# Altium PCB Version_2.PcbDoc (part 4 of 6)
Units mil, origin at the board's own origin, x right, y up, seen from the top; angles counter-clockwise.
Board outline 6692.91 x 6692.91 mil, 4 copper layers (Component Side, Ground Plane, Power, Solder Side), stack 33.234 mil thick; 798 components, 528 nets, 2533 pads, 836 vias.
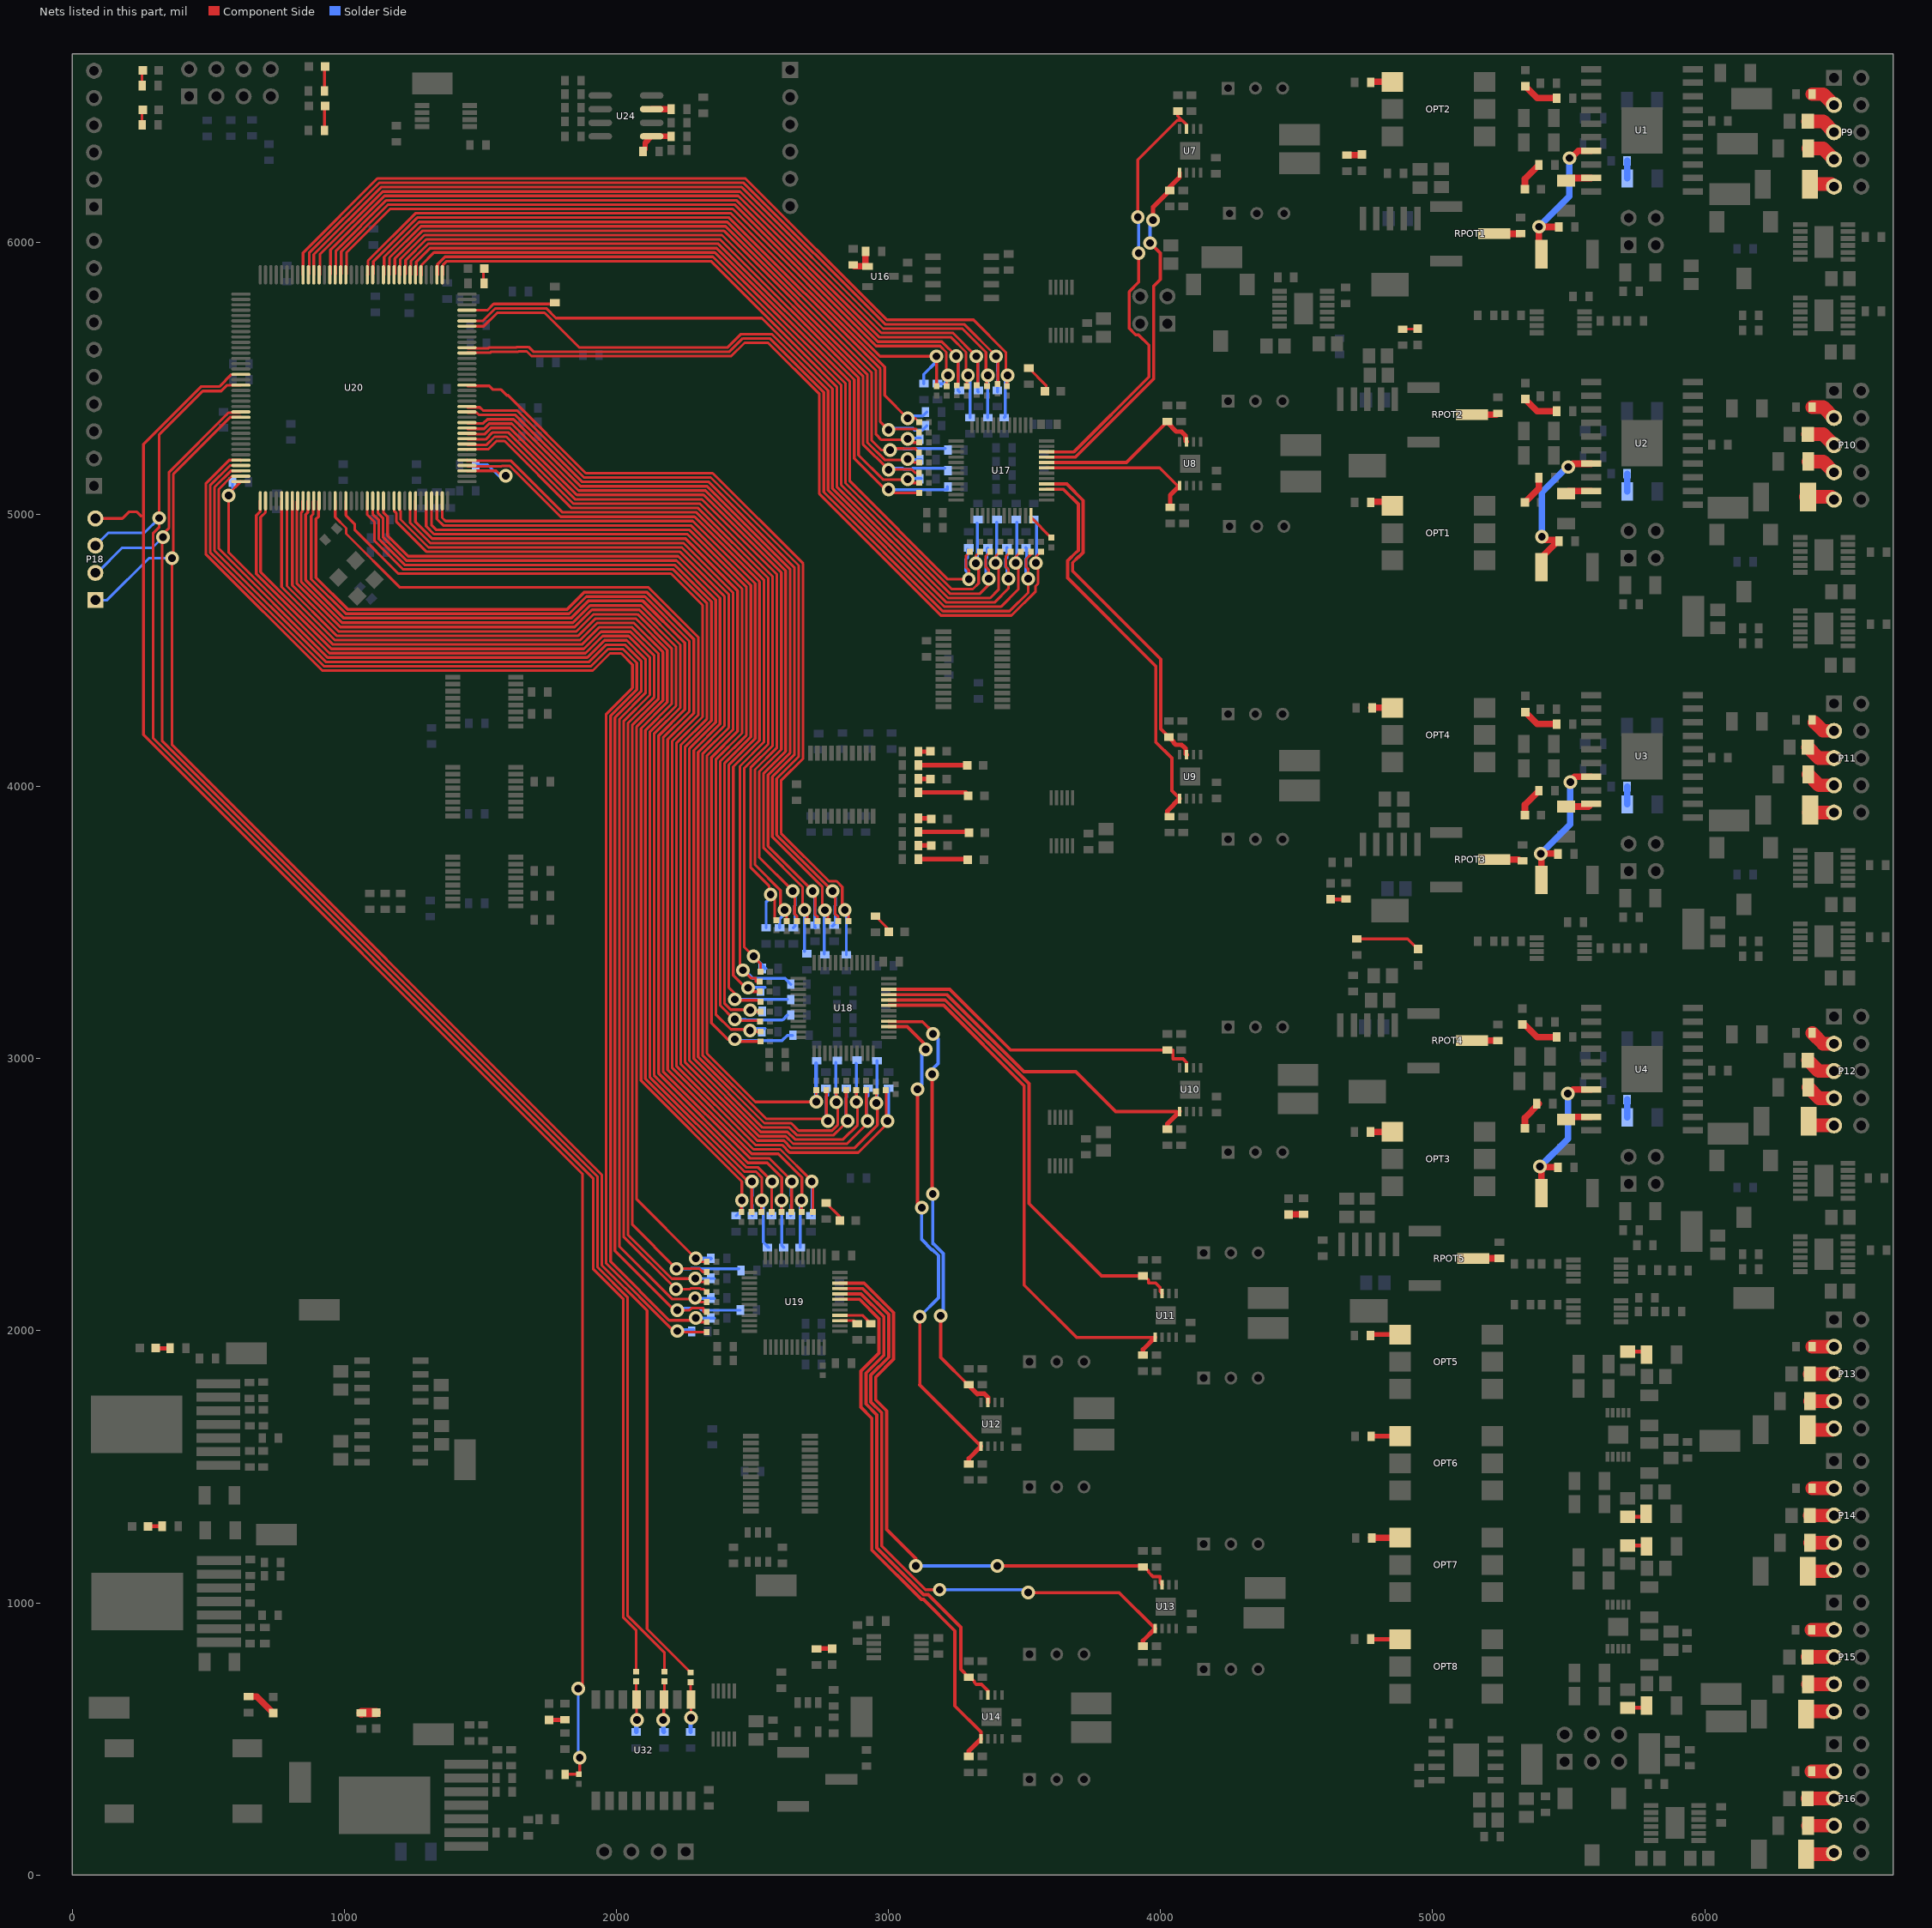
[diagram p6: the nets of this part, all layers, seen from the top]

## Via types
v1: diameter 50, hole 28, Component Side to Solder Side, 831 vias
v2: diameter 50/50/50 (per signal layer), hole 28, Component Side to Solder Side, 4 vias
v3: diameter 37.4, hole 19.68, Component Side to Solder Side, 1 vias

## Nets (pads, with @x,y where several pads share a name; then routed paths per layer and width w, separated by ;. In a path a pad name is that pad's centre, name@x,y a point inside that pad or via, vN(x,y) a via of type N, cw(c..) or ccw(c..) an arc to the next point about the centre after c; other vN are vias at no path point) (continued)
IN10: R186.1 R419.1 U20.100 | length 3323.6
  Component Side w10: U20.100@848.31,5880.35 848.31,5961.15 1121.45,6234.29 2474.13,6234.29 2993.85,5714.58 3312.53,5714.58 3431.24,5595.87 3431.24,5517.96 v1(3438.24,5510.96) ; R419.1@3435.6,5471.46 v1@3435.6,5508.33
  Solder Side w11: R186.1@3425.24,5355.49 3428.45,5358.71 3428.45,5376.89 3429.45,5377.89 3429.45,5474.03 3428.45,5475.03 v1@3428.45,5510.96
IN11: R191.1 R414.1 U20.99 | length 3194.8
  Component Side w10: U20.99@870.77,5883.13 870.77,5960.99 1128.07,6218.29 2467.5,6218.29 2987.22,5698.58 3278.16,5698.58 3395.24,5581.5 v1(3395.24,5580.96)
  Component Side w11: R414.1@3400.59,5479.33 3401.74,5480.48 v1@3401.74,5574.46
  Solder Side w11: R191.1@3400.24,5450.49 3400.74,5450.99 3400.74,5494.84 3401.74,5495.84 3401.74,5526.08 3400.74,5527.08 v1@3400.74,5575.46
IN12: R196.1 R408.1 U20.98 | length 3158.2
  Component Side w10: U20.98@887.68,5880.35 887.68,5955.27 1134.7,6202.29 2460.87,6202.29 2980.59,5682.58 3271.53,5682.58 3358.24,5595.87 3358.24,5517.96 v1(3365.24,5510.96)
  Component Side w11: R408.1@3361.64,5471.46 v1@3361.64,5507.37
  Solder Side w11: R196.1@3365.24,5355.49 v1@3365.24,5490.96
IN13: R201.1 R402.1 U20.97 | length 3059.7
  Component Side w10: U20.97@910.14,5880.35 910.14,5955.11 1141.33,6186.29 2454.25,6186.29 2973.96,5666.58 3237,5666.58 3322.24,5581.34 v1(3322.24,5580.96)
  Component Side w11: R402.1@3323.82,5474.41 3328.74,5479.33 v1@3328.74,5574.46
  Solder Side w11: v1@3329.74,5573.46 3328.74,5572.46 3328.74,5451.99 R201.1@3330.24,5450.49
IN14: R206.1 R396.1 U20.95 | length 3022.7
  Component Side w10: U20.95@949.51,5883.13 949.51,5971.85 1147.96,6170.29 2447.62,6170.29 2967.34,5650.58 3230.37,5650.58 3285.02,5595.94 3285.02,5518.18 v1(3292.24,5510.96) ; R396.1@3287.68,5471.46 v1@3287.68,5506.41
  Solder Side w11: R206.1@3300.24,5355.49 v1@3300.24,5510.96
IN15: R211.1 R390.1 U20.94 | length 2908.2
  Component Side w10: U20.94@969.2,5883.13 969.2,5968.91 1154.58,6154.29 2440.99,6154.29 2960.71,5634.58 3196.16,5634.58 3249.02,5581.72 v1(3249.02,5581.02)
  Component Side w11: R390.1@3250.98,5473.43 3255.74,5478.18 v1@3255.74,5574.3
  Solder Side w11: v1@3256.74,5573.3 3255.74,5572.3 3255.74,5454.99 R211.1@3260.24,5450.49
IN16: R216.1 R384.1 U20.93 | length 2772.6
  Component Side w10: U20.93@988.88,5883.13 988.88,5965.96 1161.21,6138.29 2434.36,6138.29 2954.08,5618.58 3189.53,5618.58 3212.24,5595.87 3212.24,5517.96 v1(3219.24,5510.96) ; R384.1@3213.72,5471.46 v1@3213.72,5505.45
  Solder Side w11: R216.1@3180.24,5480.49 3208.77,5480.49 v1@3208.77,5500.49
IN17: R221.1 R380.1 U20.92 | length 2744.1
  Component Side w10: U20.92@1008.57,5883.13 1008.57,5963.02 1167.84,6122.29 2427.74,6122.29 2969.07,5580.96 v1(3176.24,5580.96) ; R380.1@3176.74,5471.46 v1@3176.74,5578.23
  Solder Side w11: R221.1@3130.24,5480.49 3130.24,5514.96 v1@3176.24,5560.96
IN20: R226.1 R389.2 U20.88 | length 2606.5
  Component Side w10: U20.88@1084.53,5880.35 1087.31,5880.35 1087.31,5931.94 1261.66,6106.29 2421.11,6106.29 2986.06,5541.34 2986.06,5437.14 v1(3070.24,5352.96) 3098.81,5352.96 R389.2@3113.19,5338.58
  Solder Side w11: v1@3075.24,5352.96 3083.5,5361.22 3125.97,5361.22 R226.1@3140.71,5375.96
IN21: R231.1 R395.2 U20.87 | length 2726.4
  Component Side w10: U20.87@1106.99,5883.13 1106.99,5929 1268.29,6090.29 2414.48,6090.29 2970.06,5534.71 2970.06,5340.14 v1(3000.24,5309.96) 3003.82,5313.54 v1@2985.24,5313.54 ; v1@3005.24,5313.54 3101.11,5313.54 R395.2@3113.19,5301.46
  Solder Side w11: v1@3005.24,5309.96 3010.74,5315.46 3089.94,5315.46 3095.44,5309.96 3124.71,5309.96 R231.1@3140.71,5325.96
IN22: R236.1 R401.2 U20.85 | length 2584.1
  Component Side w10: U20.85@1146.36,5880.35 1146.36,5945.74 1274.92,6074.29 2407.86,6074.29 2954.06,5528.09 2954.06,5293.97 2974.07,5273.96 3068.25,5273.96 3071.02,5276.72 v1(3071.02,5276.83) ; v1@3070.24,5274.96 v1@3075.24,5279.96
  Component Side w11: v1@3090.86,5264.34 R401.2@3113.19,5264.34
  Solder Side w11: v1@3075.24,5279.96 R236.1@3116.71,5279.96
IN23: R241.1 R407.2 U20.84 | length 2766.5
  Component Side w10: U20.84@1166.05,5880.35 1166.05,5942.8 1281.54,6058.29 2401.23,6058.29 2938.06,5521.46 2938.06,5271.39 2972.98,5236.48 v1(3006.05,5236.48) 3011.54,5241.96 3054.33,5241.96 3054.65,5242.29 3056.1,5240.83 3085.93,5240.83 3087.06,5241.96 3098.45,5241.96 R407.2@3113.19,5227.22 ; v1@3000.68,5236.96 v1@3005.24,5236.96
  Solder Side w11: v1@3005.24,5236.96 3010.74,5242.46 3053.77,5242.46 3055.9,5240.33 3086.13,5240.33 3087.85,5242.04 3087.95,5242.04 3088.37,5242.46 R241.1@3209.21,5242.46
IN24: R246.1 R413.2 U20.83 | length 2569.4
  Component Side w10: U20.83@1185.73,5883.13 1185.73,5939.85 1288.17,6042.29 2394.6,6042.29 2922.06,5514.83 2922.06,5264.76 2986.35,5200.48 3063.75,5200.48 3068.25,5204.98 3070.03,5203.2 v1(3070.03,5203.01) ; v1@3072.74,5204.46 3075.24,5206.96 3092.1,5190.1 R413.2@3113.19,5190.1
  Solder Side w11: v1@3081.24,5200.96 R246.1@3120.71,5200.96
IN25: R251.1 R418.2 U20.82 | length 2707.8
  Component Side w10: U20.82@1205.42,5880.35 1205.42,5936.91 1294.8,6026.29 2387.97,6026.29 2906.06,5508.2 2906.06,5258.14 v1(3000.24,5163.96) ; v1@3001.46,5165.19 3084.94,5165.19 3097.15,5152.98 R418.2@3113.19,5152.98
  Solder Side w11: v1@3010.74,5169.46 3051.96,5169.46 3054.91,5166.51 3085.15,5166.51 3088.1,5169.46 R251.1@3207.21,5169.46
IN26: R257.1 R422.2 U20.81 | length 2533.9
  Component Side w10: U20.81@1225.1,5883.13 1225.1,5933.97 1301.43,6010.29 2381.35,6010.29 2890.06,5501.58 2890.06,5217.22 2979.32,5127.96 3064.24,5127.96 3067.43,5131.16 3069.4,5129.19 v1(3070.03,5129.19) ; v1@3083.34,5115.86 R422.2@3113.19,5115.86
  Solder Side w11: v1@3078.24,5130.96 R257.1@3120.71,5130.96
IN27: R262.1 R424.2 U20.80 | length 2691.1
  Component Side w10: U20.80@1244.79,5880.35 1244.79,5931.03 1308.05,5994.29 2374.72,5994.29 2874.06,5494.95 2874.06,5205.66 2988.76,5090.96 v1(3000.24,5090.96) ; v1@3014.75,5078.74 R424.2@3113.19,5078.74
  Solder Side w11: v1@3012.74,5098.46 3020.65,5090.55 3215.71,5090.55 R262.1@3215.71,5100.96
IN30: R266.1 R426.2 U20.79 | length 3048.4
  Component Side w10: U20.79@1261.69,5880.35 1264.47,5880.35 1264.47,5928.08 1314.68,5978.29 2368.09,5978.29 2858.06,5488.32 2858.06,5121.54 3218.17,4761.43 v1(3295.24,4761.43) 3295.24,4795 3285.03,4805.21 3285.03,4848.02 R426.2@3299.21,4862.2
  Solder Side w11: R266.1@3289.74,4871.41 3289.74,4840.45 3284.53,4835.24 3284.53,4792.32 3289.74,4787.11 3289.74,4766.93 v1(3295.24,4761.43)
IN31: R270.1 R428.2 U20.78 | length 3113.5
  Component Side w10: U20.78@1284.16,5877.57 1284.16,5916.88 1329.57,5962.29 2361.46,5962.29 2842.06,5481.69 2842.06,5114.91 3231.54,4725.43 3310.15,4725.43 3331.24,4746.52 3331.24,4817.78 v1@3326.93,4822.09 ; v1(3321.03,4820.12) 3321.04,4847.61 R428.2@3336.62,4863.19
  Solder Side w11: 3325.24,4966.91 3326.93,4965.21 v1@3326.93,4822.09
IN32: R274.1 R430.2 U20.75 | length 3097.1
  Component Side w10: U20.75@1340.43,5880.35 U20.75@1340.43,5914.22 ; U20.75@1343.21,5880.35 1343.21,5919.83 1369.68,5946.29 2354.84,5946.29 2826.06,5475.07 2826.06,5108.28 3225.91,4708.43 3336.11,4708.43 3368.27,4740.6 v1(3368.27,4763.03) 3368.27,4795.78 3357.87,4806.19 3357.87,4847.04 R430.2@3374.02,4863.19
  Solder Side w10: v1@3362.59,4768.72 3357.87,4773.44 3357.87,4836.01 3362.59,4840.73 3362.59,4874.25 R274.1@3365.24,4876.91
IN33: R277.1 R432.2 U20.74 | length 3149.3
  Component Side w10: U20.74@1360.12,5909.33 U20.74@1360.12,5912.69 ; U20.74@1362.9,5880.35 1362.9,5916.88 1376.31,5930.29 2348.21,5930.29 2810.06,5468.44 2810.06,5101.66 3219.28,4692.43 3373.51,4692.43 3404.27,4723.2 3404.27,4816.05 3399.22,4821.1 v1(3393.87,4821.1) 3393.87,4845.64 R432.2@3411.42,4863.19
  Component Side w11: U20.74@1360.12,5880.35 U20.74@1360.12,5909.33
  Solder Side w11: v1@3398.24,4831.43 R277.1@3398.24,4969.91
IN34: R163.1 R434.2 U20.67 | length 2952.7
  Component Side w10: U20.67@1450.67,5711.06 1509.59,5711.06 1555.51,5756.98 1742.12,5756.98 1777.81,5721.29 2534.58,5721.29 2794.06,5461.81 2794.06,5095.03 3212.66,4676.43 3390.24,4676.43 3441.11,4727.3 v1(3441.11,4763.03) 3441.11,4796.77 3431.69,4806.19 3431.69,4846.06 R434.2@3448.82,4863.19
  Solder Side w11: v1@3435.24,4767.43 3435.24,4801.93 3431.19,4805.98 3431.19,4836.22 3435.24,4840.27 R163.1@3435.24,4876.91
IN35: R167.1 R436.2 U20.66 | length 3057.3
  Component Side w10: U20.66@1450.67,5691.38 1512.53,5691.38 1562.13,5740.98 1735.49,5740.98 1862.94,5613.53 2409.09,5613.53 2458.05,5662.49 2570.76,5662.49 2778.06,5455.18 2778.06,5088.4 3206.03,4660.43 3412.88,4660.43 3477.24,4724.79 v1@3477.24,4816.09 ; v1(3467.69,4821.1) 3467.69,4844.66 R436.2@3486.22,4863.19
  Solder Side w11: v1@3471.24,4831.43 R167.1@3471.24,4970.91
IN36: R172.1 R438.2 U20.62 | length 3022.8
  Component Side w10: U20.62@1453.45,5609.86 1529.43,5609.86 1533.18,5613.61 1632.59,5613.61 1633.97,5614.99 1677.05,5614.99 1694.52,5597.53 2415.72,5597.53 2464.68,5646.49 2564.13,5646.49 2762.06,5448.56 2762.06,5081.77 3199.4,4644.43 3445.52,4644.43 3513.95,4712.86 v1(3513.95,4763.03) 3513.95,4797.75 3505.51,4806.19 3505.51,4836.01 3523.62,4854.12 R438.2@3523.62,4863.19
  Solder Side w11: R172.1@3506.74,4875.41 R172.1@3505.24,4876.91 3507.74,4874.41 3507.74,4838.95 3505.01,4836.22 3505.01,4771.97 v1@3507.74,4769.24
IN37: R177.1 R440.2 U20.61 | length 3103.9
  Component Side w10: U20.61@1450.67,5592.95 1451.57,5593.86 1536.06,5593.86 1539.8,5597.61 1639.21,5597.61 1640.6,5598.99 1670.42,5598.99 1687.89,5581.53 2422.35,5581.53 2471.31,5630.49 2557.5,5630.49 2746.06,5441.93 2746.06,5075.15 3192.77,4628.43 3452.15,4628.43 3540.77,4717.06 3540.77,4736.37 3549.95,4745.55 3549.95,4816.37 3545.22,4821.1 v1(3541.51,4821.1) 3541.51,4843.68 R440.2@3561.02,4863.19
  Solder Side w11: R177.1@3534.25,4980.76 3544.24,4970.78 v1@3544.24,4831.43
IN40: R182.1 R416.1 U20.55 | length 3090.4
  Component Side w10: U20.55@1453.45,5472.06 1532.52,5472.06 1546.34,5458.24 1576.16,5458.24 1597.17,5437.24 1601.78,5437.24 1887.72,5151.29 2353.55,5151.29 2686.02,4818.82 2686.02,4102.86 2605.11,4021.95 2605.11,3828.26 2781.4,3651.96 2809.15,3651.96 2830.24,3630.87 2830.24,3552.96 2836.77,3546.43 v1(2839.71,3546.43) ; R416.1@2853.34,3504.92 v1@2853.34,3529.86
  Solder Side w11: R182.1@2845.08,3381.83 v1@2845.08,3523.12
IN41: R187.1 R410.1 U20.51 | length 3001.9
  Component Side w10: U20.51@1453.45,5393.32 1498.4,5393.32 1510.45,5381.27 1635.12,5381.27 1881.1,5135.29 2346.92,5135.29 2670.02,4812.2 2670.02,4109.49 2589.11,4028.58 2589.11,3821.63 2794.24,3616.5 v1(2794.24,3615.96) ; v1@2803.71,3606.49 2803.71,3531.52 2815.52,3519.71 R410.1@2815.52,3504.92
  Solder Side w11: R187.1@2794.24,3486.49 2804.13,3496.39 2804.13,3530.39 2803.21,3531.31 2803.21,3561.55 2804.13,3562.48 2804.13,3591.07 v1@2794.24,3600.96
IN42: R192.1 R404.1 U20.50 | length 2992.1
  Component Side w10: U20.50@1453.45,5373.64 1487.2,5373.64 1495.68,5365.16 1519.03,5365.16 1519.14,5365.27 1628.49,5365.27 1874.47,5119.29 2340.29,5119.29 2654.02,4805.57 2654.02,4116.12 2573.11,4035.21 2573.11,3815 2757.24,3630.87 2757.24,3554.02 v1(2765.75,3545.51) ; v1@2759.24,3535.96 v1@2764.24,3530.96 ; R404.1@2777.7,3504.92 v1@2777.7,3533.56
  Solder Side w11: R192.1@2764.24,3383.93 v1@2764.24,3530.96
IN43: R197.1 R398.1 U20.48 | length 2922.9
  Component Side w10: U20.48@1453.45,5334.27 1510.77,5334.27 1525.77,5349.27 1621.87,5349.27 1867.84,5103.29 2333.67,5103.29 2638.02,4798.94 2638.02,4122.74 2557.11,4041.83 2557.11,3780.63 2721.24,3616.5 v1(2721.24,3615.96) ; v1@2718.95,3600.96 v1@2721.24,3600.96 ; v1@2730.75,3604.16 2730.75,3561.42 2729.75,3560.42 2729.75,3530.09 2739.87,3519.97 R398.1@2739.87,3504.92
  Solder Side w11: v1@2728.74,3593.46 2728.74,3481.99 R197.1@2730.24,3480.49
IN44: R202.1 R392.1 U20.47 | length 2909.1
  Component Side w10: U20.47@1453.45,5314.58 1513.71,5314.58 1532.4,5333.27 1615.24,5333.27 1861.21,5087.29 2327.04,5087.29 2622.02,4792.31 2622.02,4129.37 2541.11,4048.46 2541.11,3774 2684.24,3630.87 2684.24,3552.96 v1(2691.24,3545.96) ; R392.1@2702.05,3504.92 v1@2702.05,3535.15
  Solder Side w11: R202.1@2691.24,3394.49 v1@2691.24,3530.96
IN45: R207.1 R386.1 U20.46 | length 2873.7
  Component Side w10: U20.46@1453.45,5294.9 1516.66,5294.9 1539.03,5317.27 1608.61,5317.27 1854.59,5071.29 2320.41,5071.29 2606.02,4785.69 2606.02,4136 2525.11,4055.09 2525.11,3739.09 v1(2648.24,3615.96) ; v1@2645.95,3600.96 v1@2648.24,3600.96 ; v1@2656.24,3607.96 2656.24,3561.87 2655.24,3560.87 2655.24,3531.05 2664.23,3522.06 R386.1@2664.23,3504.92
  Solder Side w11: v1@2648.24,3600.96 2656.5,3592.7 2656.5,3562.84 2654.74,3561.08 2654.74,3530.84 2656.5,3529.09 2656.5,3486.75 R207.1@2650.24,3480.49
IN46: R212.1 R381.1 U20.45 | length 2766.3
  Component Side w10: U20.45@1453.45,5275.21 1519.6,5275.21 1545.65,5301.27 1601.99,5301.27 1847.96,5055.29 2313.78,5055.29 2590.02,4779.06 2590.02,4142.63 2509.11,4061.72 2509.11,3712.08 2602.93,3618.26 2602.93,3561.27 v1(2618.24,3545.96) ; R381.1@2626.41,3504.92 v1@2626.41,3537.79
  Solder Side w11: R212.1@2600.24,3480.49 2600.24,3512.96 v1@2618.24,3530.96
IN47: R217.1 R378.1 U20.44 | length 2809.6
  Component Side w10: U20.44@1453.45,5255.53 1522.54,5255.53 1552.28,5285.27 1595.36,5285.27 1841.33,5039.29 2307.16,5039.29 2574.02,4772.43 2574.02,4149.25 2493.11,4068.34 2493.11,3702.76 2561.02,3634.84 2561.02,3603.35 2582.24,3582.13 2582.24,3514.22 R378.1@2588.58,3507.87
  Solder Side w11: R217.1@2550.24,3480.49 2550.24,3575.96 v1@2572.28,3598
  other v1: 2566.93,3603.35
IN50: R222.1 R385.2 U20.43 | length 2913.7
  Component Side w10: U20.43@1450.67,5238.62 1451.22,5239.17 1528.81,5239.17 1558.91,5269.27 1588.73,5269.27 1834.7,5023.29 2300.53,5023.29 2558.02,4765.8 2558.02,4155.88 2470.01,4067.87 2470.01,3409.91 v1(2503.94,3375.98) 2529.53,3350.39 R385.2@2529.53,3318.76
  Solder Side w11: v1(2503.94,3375.98) 2548.96,3330.96 R222.1@2535.71,3330.96
IN51: R227.1 R391.2 U20.41 | length 3033.4
  Component Side w10: U20.41@1450.67,5199.25 1450.67,5197.27 1611.84,5197.27 1801.81,5007.29 2293.9,5007.29 2542.02,4759.18 2542.02,4162.51 2454.01,4074.5 2454.01,3336.35 v1(2465.55,3324.8) 2494.35,3296 2512.81,3296 2512.81,3282.48 R391.2@2526.57,3282.48
  Solder Side w11: v1(2465.55,3324.8) 2471.19,3324.8 2500.53,3295.46 2618.41,3295.46 R227.1@2640.71,3273.17
IN52: R232.1 R397.2 U20.40 | length 2893.2
  Component Side w10: U20.40@1450.67,5179.57 1453.45,5176.79 1577.47,5176.79 1578.67,5177.98 1608.49,5177.98 1795.18,4991.29 2287.27,4991.29 2526.02,4752.55 2526.02,4169.14 2429.55,4072.67 2429.55,3305.69 2475.23,3260 v2(2484.37,3260) ; v2@2499.56,3245.64 R397.2@2529.53,3245.64
  Solder Side w11: v2@2496.24,3260.96 2545.71,3260.96
IN53: R237.1 R403.2 U20.35 | length 3188.5
  Component Side w10: U20.35@1360.12,5049.65 1360.12,4987.32 1372.15,4975.29 2280.65,4975.29 2510.02,4745.92 2510.02,4175.76 2413.55,4079.3 2413.55,3260.66 2435.02,3239.19 v1(2435.02,3217.68) ; v1@2438.55,3214.15 2529.53,3214.15 R403.2@2529.53,3209.08
  Solder Side w11: v1@2425.24,3216.96 R237.1@2628.38,3216.96
IN54: R242.1 R409.2 U20.34 | length 3054.8
  Component Side w10: U20.34@1340.43,5049.65 1340.43,4982.4 1363.54,4959.29 2274.02,4959.29 2494.02,4739.29 2494.02,4182.39 2397.55,4085.92 2397.55,3201.91 2419.61,3179.85 2490.42,3179.85 v1(2492.13,3178.15) ; v1@2509.67,3172.53 R409.2@2529.53,3172.53
  Solder Side w10: v1@2504.03,3173.17 R242.1@2535.71,3173.17
IN55: R247.1 R415.2 U20.33 | length 3298.6
  Component Side w10: U20.33@1320.75,5049.65 1320.75,4959.76 1337.22,4943.29 2267.39,4943.29 2478.02,4732.67 2478.02,4189.02 2381.55,4092.55 2381.55,3195.29 v1@2432.98,3143.85 ; v1@2437.49,3139.35 2529.53,3139.35 R415.2@2529.53,3135.97
  Solder Side w11: v1@2425.24,3143.96 2474.69,3143.96 2477.01,3141.65 2609.63,3141.65 2611.93,3143.95 2613.31,3143.95 2620.05,3150.69 2620.05,3152.06 R247.1@2627.81,3159.83
  other v1: 2435.02,3143.85
IN56: R252.1 R420.2 U20.32 | length 3180
  Component Side w10: U20.32@1301.06,5049.65 1301.06,4955.9 1329.66,4927.29 2260.76,4927.29 2462.02,4726.04 2462.02,4195.65 2365.55,4099.18 2365.55,3162.42 2420.95,3107.02 2487.47,3107.02 v1(2491.14,3103.35) ; v1@2504.79,3099.41 R420.2@2529.53,3099.41
  Solder Side w11: v1@2495.24,3113.96 2498.24,3110.96 R252.1@2545.71,3110.96
IN57: R158.1 R423.2 U20.30 | length 3417.5
  Component Side w10: v1@2433.56,3062.85 R423.2@2529.53,3062.85
  Component Side w11: U20.30@1261.69,5049.65 1261.69,4971.93 1322.83,4910.79 2253.93,4910.79 2445.52,4719.21 2445.52,4202.48 2349.05,4106.01 2349.05,3131.26 2409.3,3071.02 v1(2435.02,3071.02)
  Solder Side w11: v1@2439.19,3066.85 2609.61,3066.85 2627.95,3085.19 2627.95,3085.63 R158.1@2647.64,3085.63
IN60: R159.1 R425.2 U20.29 | length 3766.4
  Component Side w10: U20.29@1242.01,5049.65 1242.01,4968.28 1315.99,4894.29 2247.1,4894.29 2429.02,4712.37 2429.02,4209.31 2332.55,4112.85 2332.55,3019.26 2510.85,2840.96 v1(2734.24,2840.96) R425.2@2734.24,2882.86
  Solder Side w15: v1(2734.24,2840.96) R159.1@2734.24,2982.43
IN61: R160.1 R427.2 U20.27 | length 3912
  Component Side w10: U20.27@1202.64,5049.65 1202.64,5015.9 1206.86,5011.68 1206.86,4980.81 1309.37,4878.29 2240.47,4878.29 2413.02,4705.74 2413.02,4215.94 2316.55,4119.47 2316.55,3012.63 2550.59,2778.6 2769.6,2778.6 v1@2771.65,2776.55
  Component Side w11: v1@2771.65,2776.55 R427.2@2771.65,2883.86
  Solder Side w11: R160.1@2770.24,2891.43 2777.24,2884.43 2777.24,2866.67 2771.74,2861.17 2771.74,2855.41 2771.59,2855.26 2771.59,2776.61 v1(2777.24,2770.96)
IN62: R161.1 R429.2 U20.26 | length 4033.1
  Component Side w10: U20.26@1182.95,5049.65 1182.95,5012.95 1190.86,5005.05 1190.86,4974.18 1302.74,4862.29 2233.84,4862.29 2397.02,4699.12 2397.02,4222.57 2300.55,4126.1 2300.55,3006.01 2543.96,2762.6 2641.96,2762.6 2669.59,2734.96 2792.15,2734.96 2813.24,2756.05 v1@2813.24,2834.4 ; v1(2808.21,2839.71) R429.2@2808.21,2883.72
  Solder Side w11: v1@2806.9,2841.3 R161.1@2806.9,2986.43
IN63: R162.1 R431.2 U20.24 | length 4107.5
  Component Side w10: U20.24@1143.58,5049.65 1143.58,5007 1158.86,4991.73 1158.86,4922.17 1234.73,4846.29 2227.21,4846.29 2381.02,4692.49 2381.02,4229.2 2284.55,4132.73 2284.55,2999.38 2537.33,2746.6 2635.33,2746.6 2662.97,2718.96 2798.78,2718.96 2829.24,2749.42 2829.24,2749.96 v1(2850.24,2770.96)
  Component Side w11: R431.2@2844.49,2883.86 2844.71,2883.64 v1@2844.71,2776.49
  Solder Side w11: v1@2844.71,2776.49 2844.71,2854.82 ; 2845.24,2857.58 R162.1@2845.24,2891.43
IN64: R164.1 R433.2 U20.23 | length 4216.1
  Component Side w10: U20.23@1123.9,5049.65 1123.9,5004.06 1142.86,4985.1 1142.86,4915.55 1228.11,4830.29 2220.59,4830.29 2365.02,4685.86 2365.02,4235.82 2268.55,4139.36 2268.55,2992.75 2530.7,2730.6 2628.7,2730.6 2656.34,2702.96 2833.15,2702.96 2886.24,2756.05 v1@2886.24,2834.96 ; v1(2882.03,2840.69) R433.2@2882.03,2882.73
  Solder Side w11: R164.1@2880.24,2983.1 2882.03,2981.31 v1(2882.03,2840.69)
IN65: R168.1 R435.2 U20.22 | length 4261.4
  Component Side w10: U20.22@1104.21,5049.65 1104.21,5001.12 1126.86,4978.47 1126.86,4908.92 1221.48,4814.29 2213.96,4814.29 2349.02,4679.23 2349.02,4242.45 2252.55,4145.98 2252.55,2986.12 2524.08,2714.6 2622.07,2714.6 2649.71,2686.96 2847.39,2686.96 2923.24,2762.8 v1(2923.24,2770.96)
  Component Side w11: R435.2@2917.32,2883.86 2918.53,2882.65 v1@2918.53,2775.67
  Solder Side w11: v1@2917.24,2776.96 2918.53,2778.25 2918.53,2855.81 2918.21,2856.13 2925.24,2863.17 R168.1@2925.24,2891.43
IN66: R173.1 R437.2 U20.21 | length 4370.6
  Component Side w10: U20.21@1084.53,5049.65 1084.53,4998.17 1110.86,4971.85 1110.86,4902.29 1214.85,4798.29 2207.33,4798.29 2333.02,4672.61 2333.02,4249.08 2236.55,4152.61 2236.55,2979.5 2517.45,2698.6 2615.45,2698.6 2643.08,2670.96 2874.15,2670.96 2959.24,2756.05 2959.24,2831.12 2955.85,2834.5 v1(2955.85,2836.75) R437.2@2955.85,2876.82
  Solder Side w10: v1@2957.68,2840.55 R173.1@2957.68,2992.13
  Solder Side w11: v1@2953.45,2836.9 2953.6,2836.75 v1(2955.85,2836.75)
IN67: R178.1 R439.2 U20.17 | length 4433.3
  Component Side w10: U20.17@1005.79,5049.65 1005.79,4996.16 1038.83,4963.11 1038.83,4942.05 1198.58,4782.29 2200.7,4782.29 2317.02,4665.98 2317.02,4255.71 2220.55,4159.24 2220.55,2972.87 2510.82,2682.6 2608.82,2682.6 2636.46,2654.96 2889.21,2654.96 2996.24,2761.99 v1(2996.24,2770.96) ; R439.2@2990.16,2883.86 2991.85,2882.16 v1@2991.85,2775.35